# Altium PCB MainBoard_v1.PcbDoc (part 1 of 2)
Units mil, origin at the board's own origin, x right, y up, seen from the top; angles counter-clockwise.
Board outline 6125 x 6375 mil, 2 copper layers (Top Layer, Bottom Layer); 193 components, 120 nets, 701 pads, 462 vias.
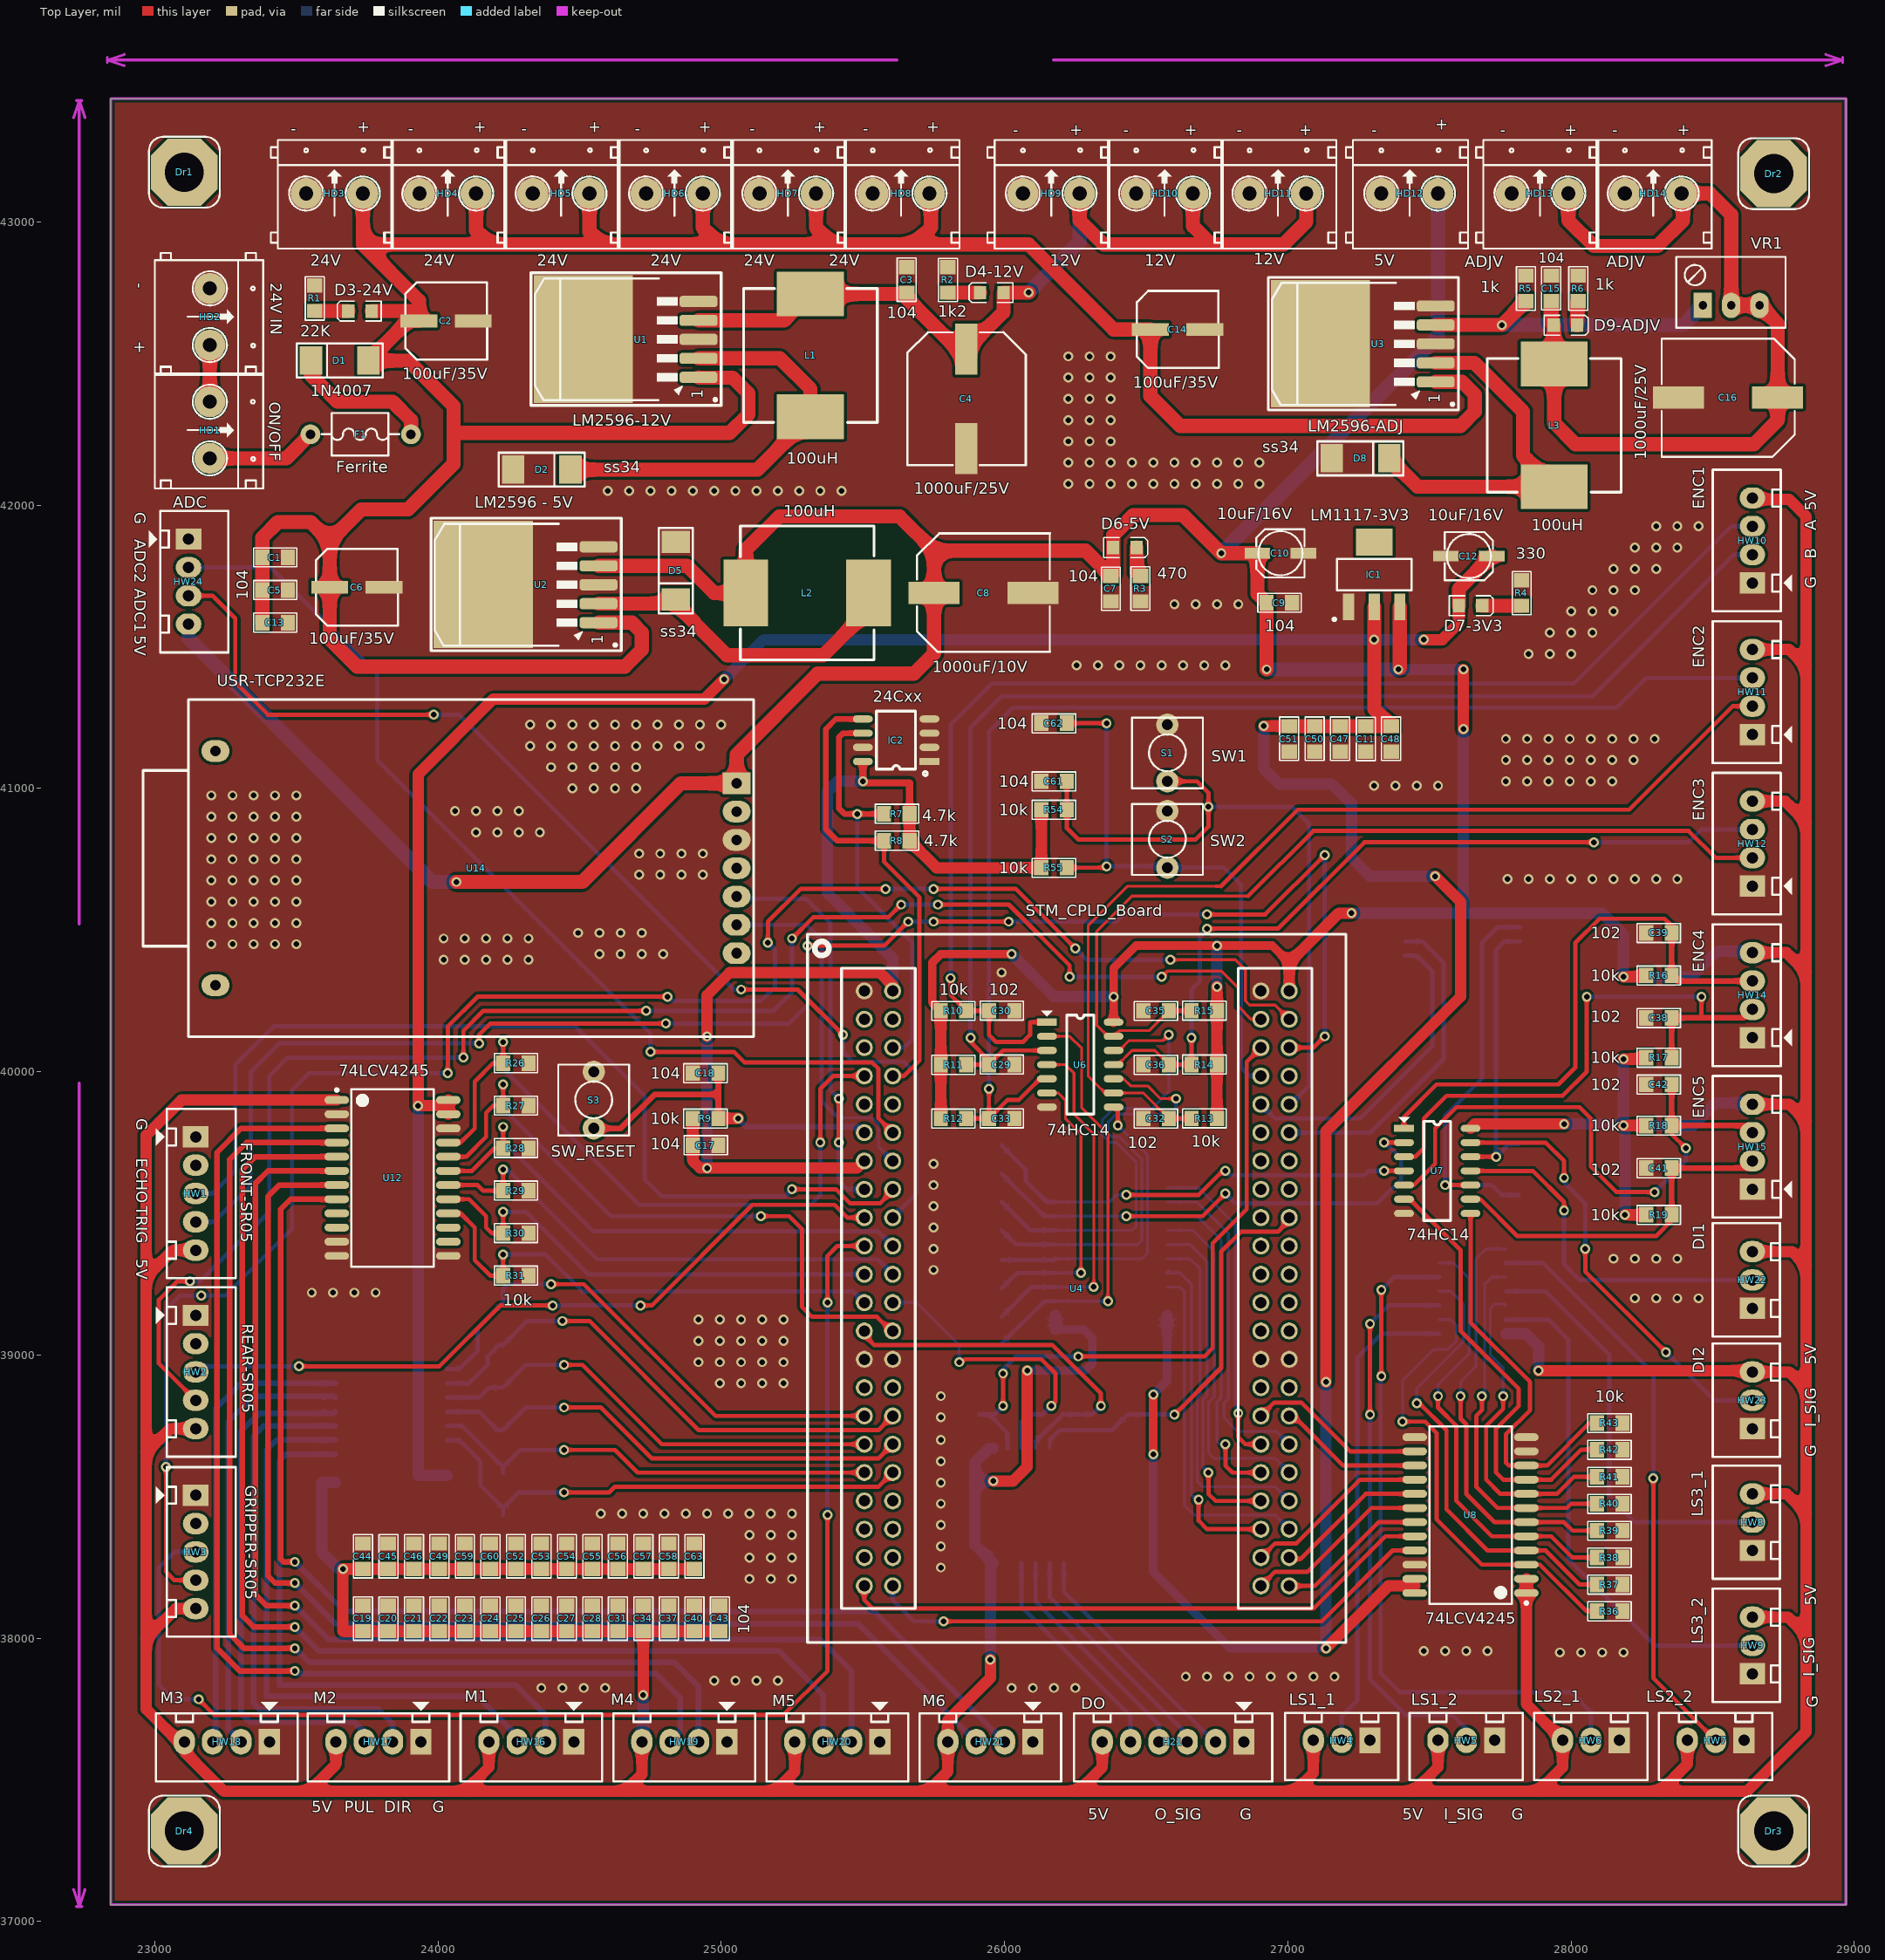
[diagram p0: Top Layer view]
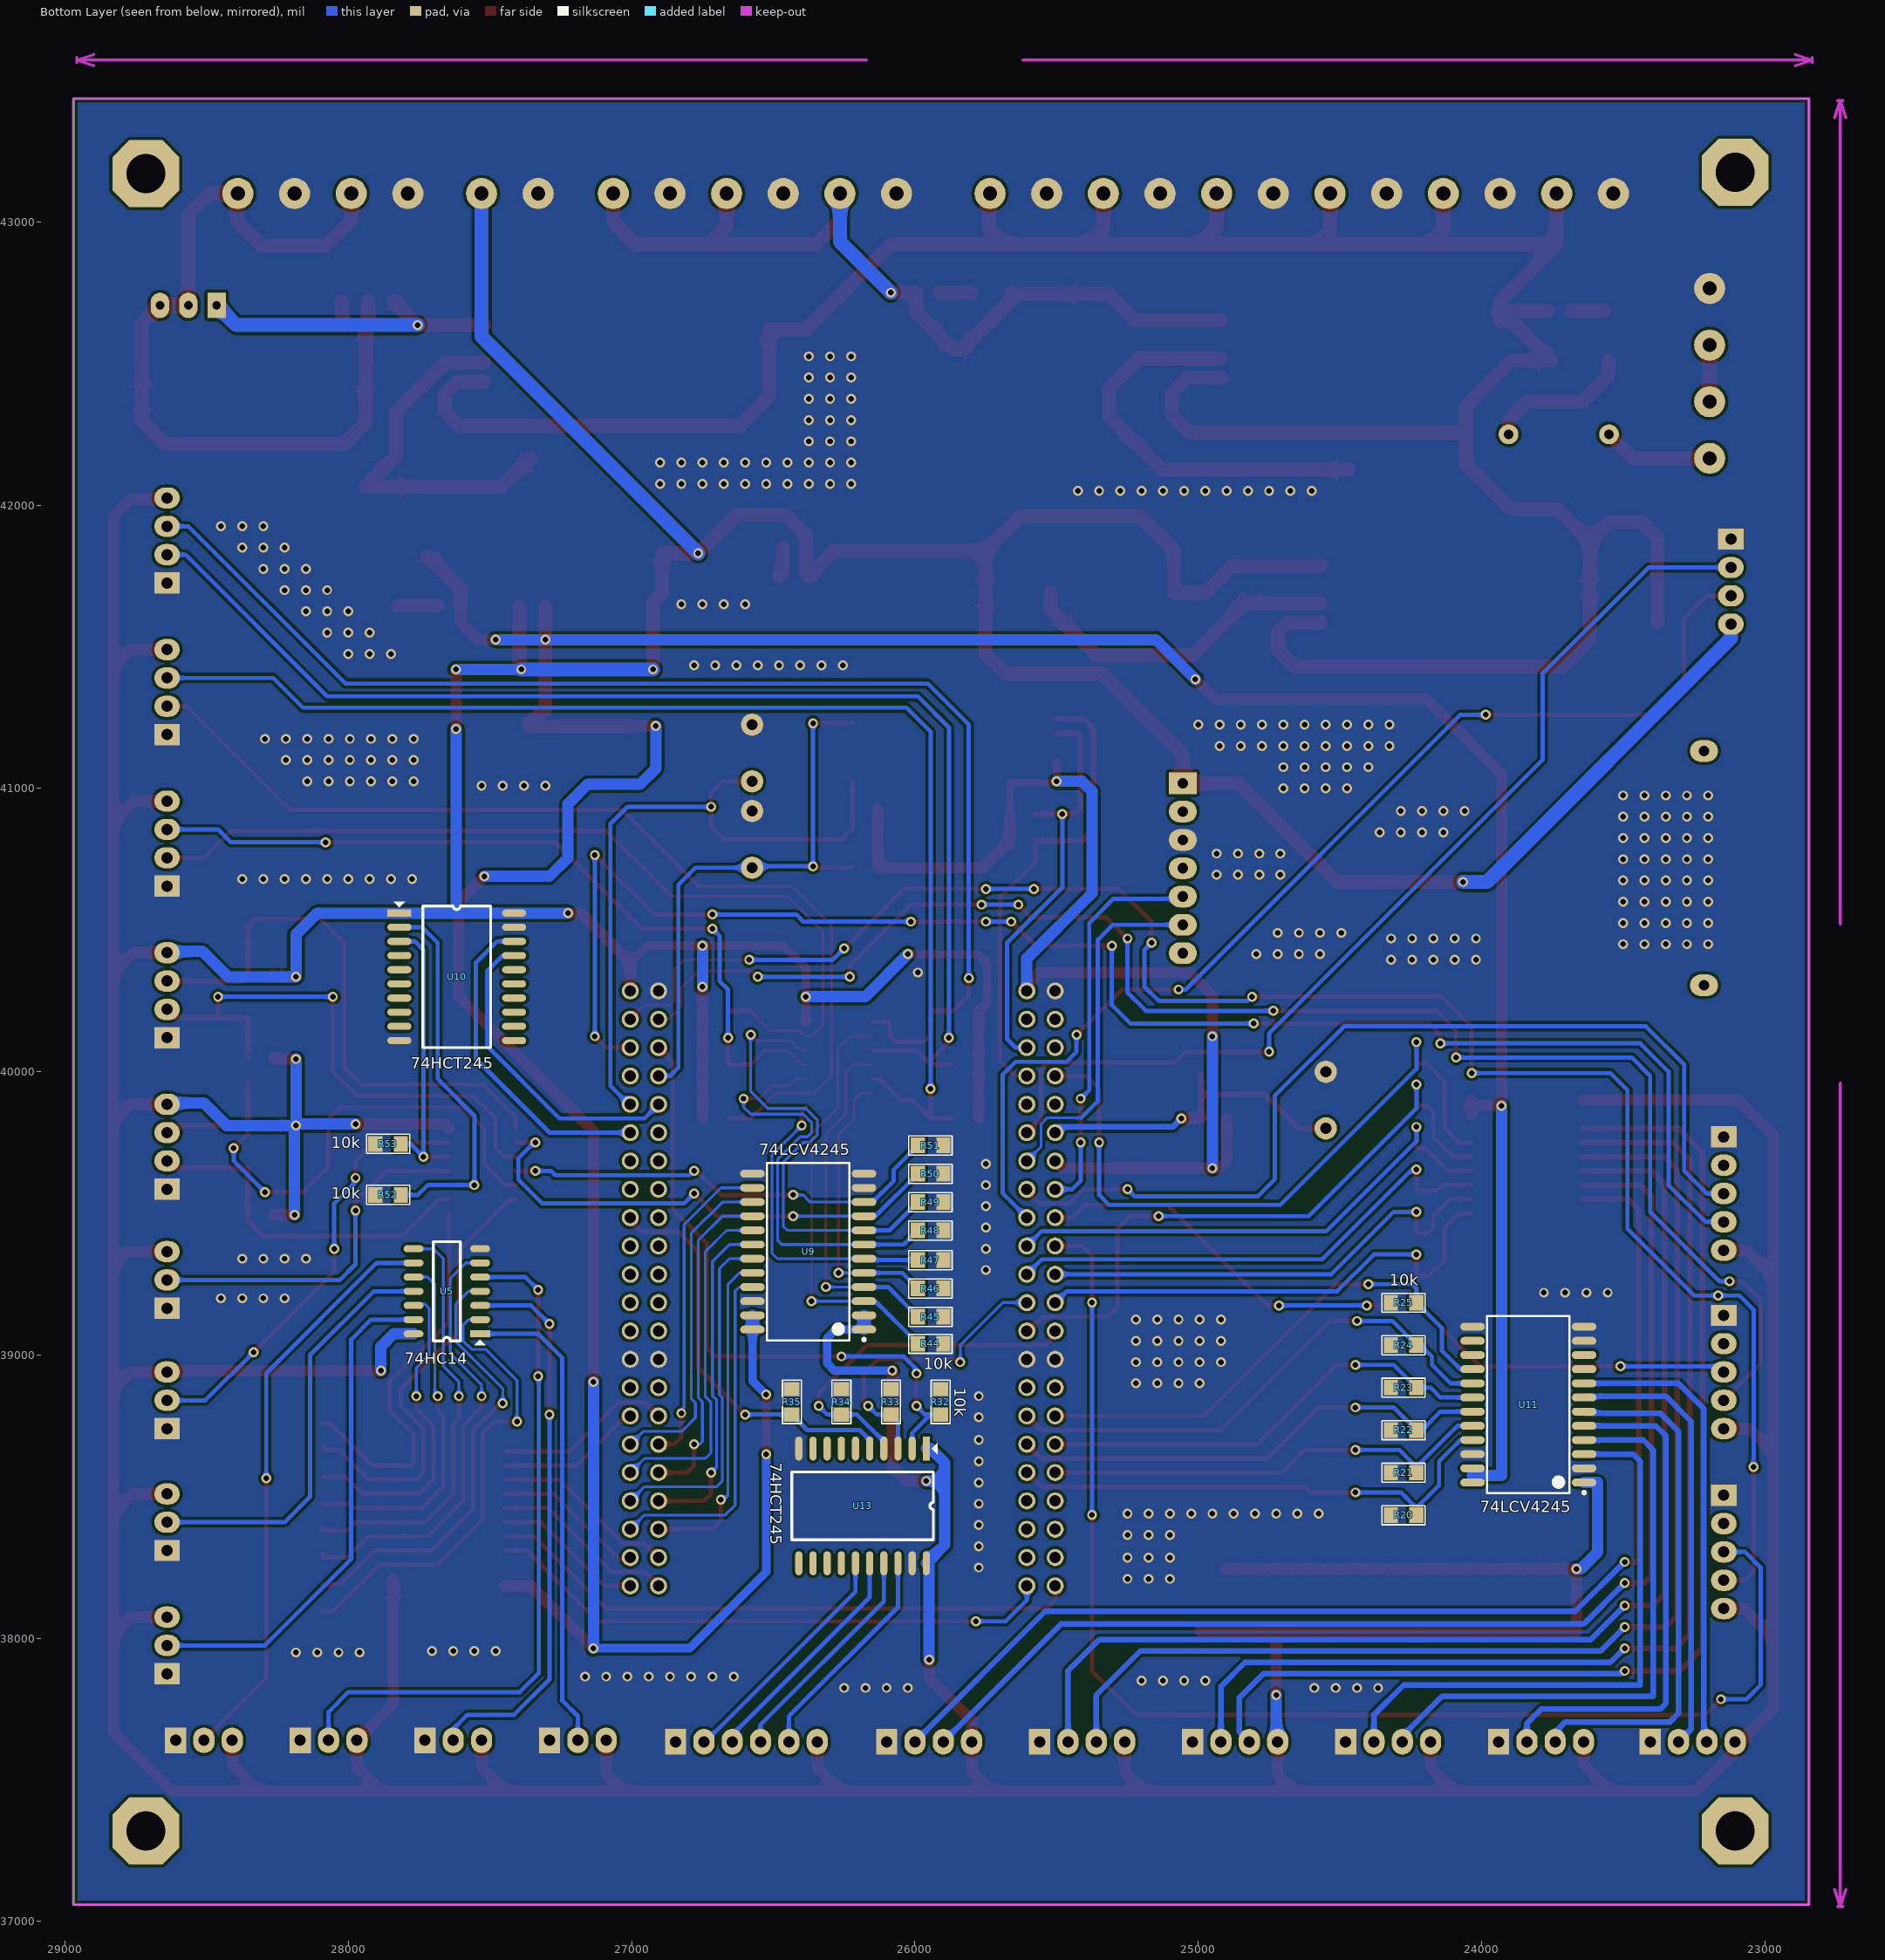
[diagram p1: Bottom Layer view, seen from below]
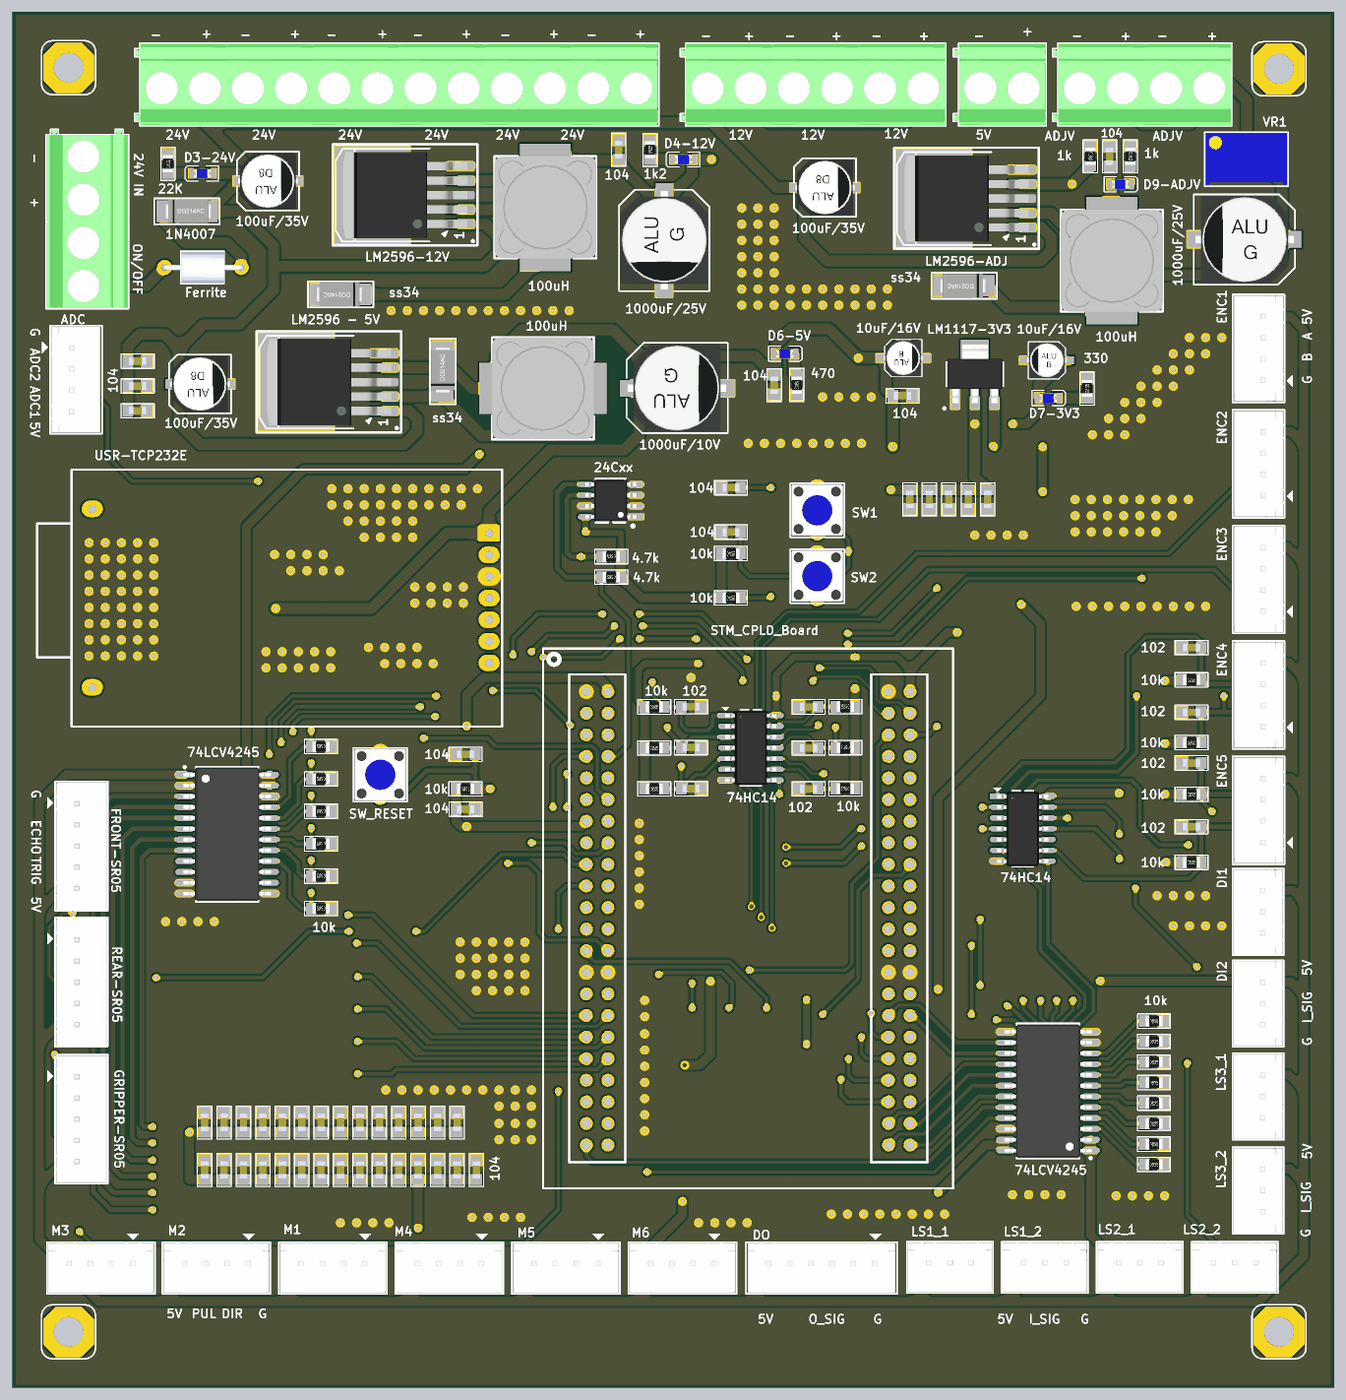
[diagram p3: 3D render of the assembled board from above, using the file's embedded part models]
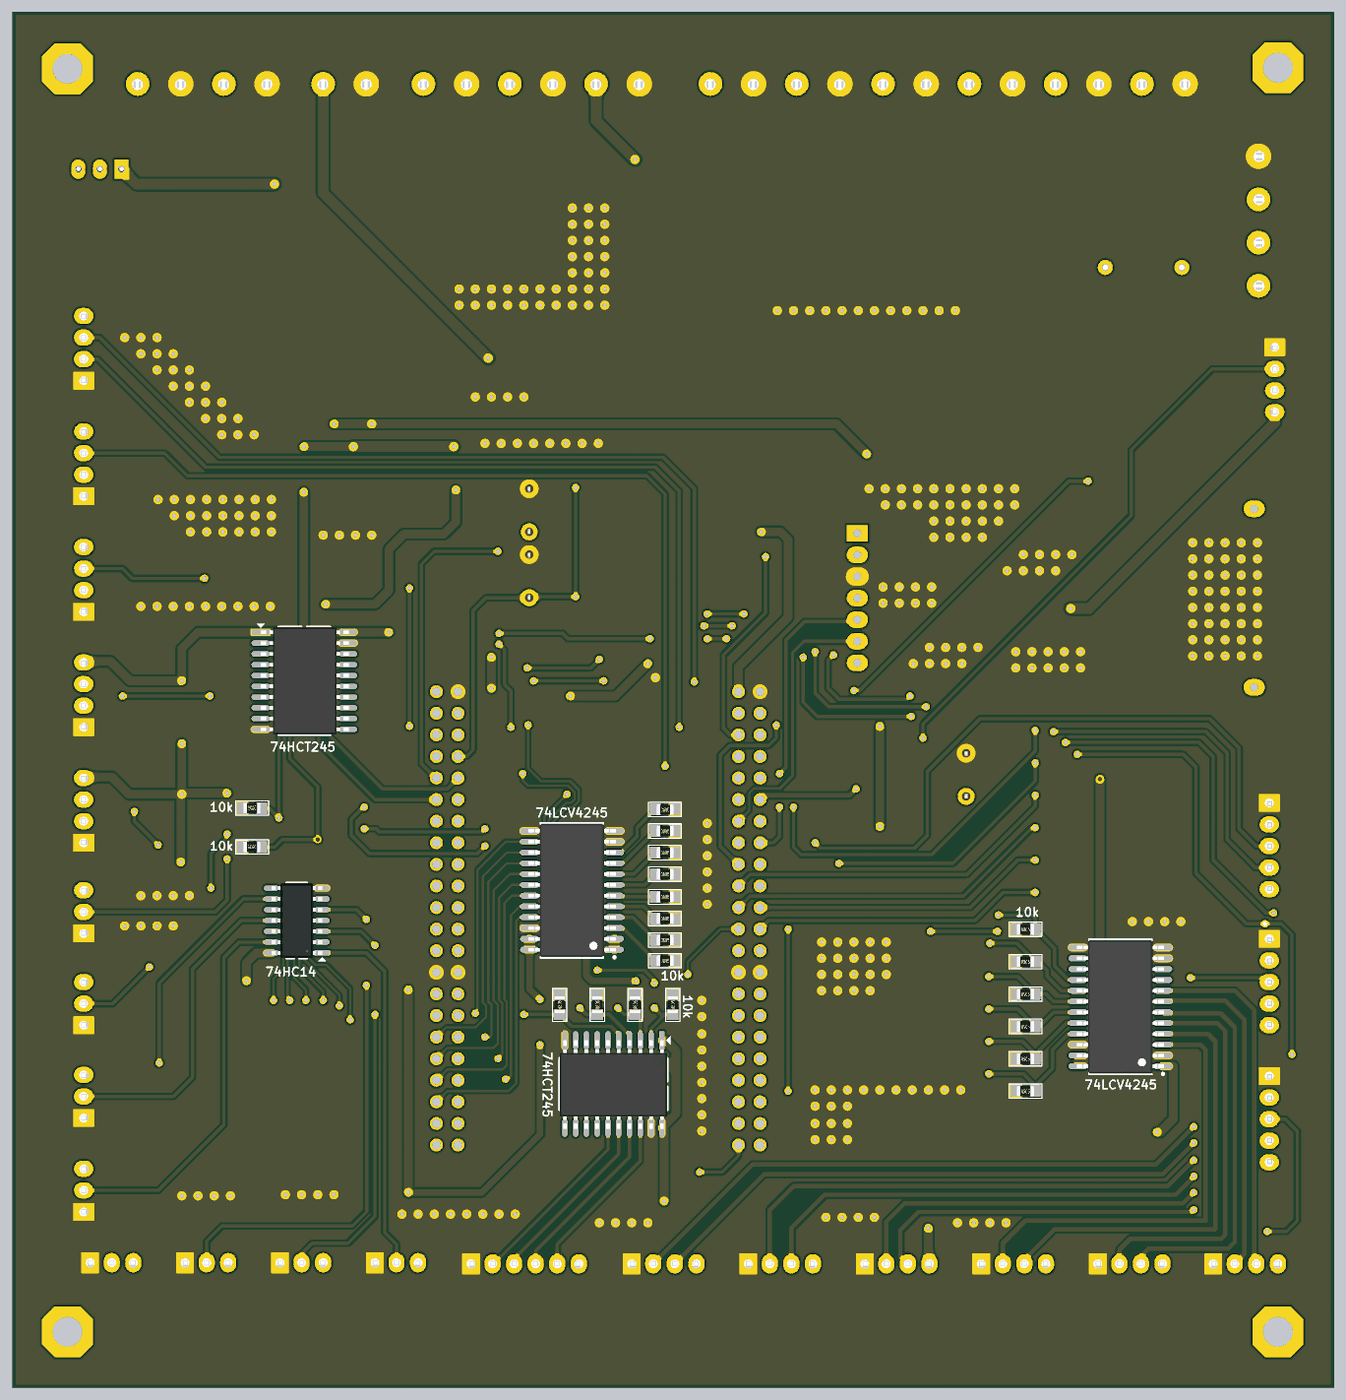
[diagram p4: 3D render of the assembled board from below, using the file's embedded part models]

## Layer stack, top to bottom
Top Solder: solder mask 0.4, Solder Resist, Dk 3.5
Top Layer: signal copper 1.4
Dielectric 1: dielectric 12.6, FR-4, Dk 4.8
Bottom Layer: signal copper 1.4
Bottom Solder: solder mask 0.4, Solder Resist, Dk 3.5

## Board outline
22845,37060 28970,37060 28970,43435 22845,43435

## Design rules (kind name [scope] priority, off if disabled: settings)
Clearance [All] p1: gap=10 ignorepadtopadclearanceinfootprint=FALSE except(0: Arc-Hole Track-Hole SMDPad-Hole THPad-Hole Via-Hole Fill-Hole Poly-Hole Region-Hole Text-Hole)
ComponentClearance [All] p1: gap=0 collisioncheckmode=3 verticalgap=0 showdistances=FALSE
PlaneConnect [All] p1: planeconnectstyle=Direct reliefexpansion=20 reliefentries=4 reliefconductorwidth=10 reliefairgap=10
PolygonConnect [All] p1: connectstyle=Direct reliefconductorwidth=10 reliefentries=4 polygonreliefangle="90 Angle" airgapwidth=10
RoutingVias [All] p1: holewidth=50 width=100 viastyle="Through Hole" minholewidth=16 minwidth=30 maxholewidth=20 maxwidth=35
SolderMaskExpansion [All] p1: expansion=4
Width [All] p1: maxlimit=50 minlimit=10 preferedwidth=50
28 further rules are at their usual default settings.

## Components (designator, comment, footprint, x,y, rotation, side; value= is the part's Value field where it differs from the comment)
C1 "104" CAP-SM-0805 23470,41815 r180 top
C2 "100uF/35V" Cap_Alu_D8 23899,42650 r0 top
C3 "104" CAP-SM-0805 25655,42840 r270 top
C4 "1000uF/25V" Cap_Alu_G 25865,42216 r90 top
C5 "104" CAP-SM-0805 23470,41700 r180 top
C6 "100uF/35V" Cap_Alu_D8 23584,41710 r0 top
C7 "104" CAP-SM-0805 26375,41660 r90 top
C8 "1000uF/10V" Cap_Alu_G 26085,41690 r180 top
C9 "104" CAP-SM-0805 27015,41655 r180 top
C10 "10uF/16V" CAP_ALU_B 26893,41830 r0 top
C11 "104" CAP-SM-0805 27275,41130 r90 top
C12 "10uF/16V" CAP_ALU_B 27720,41820 r180 top
C13 "104" CAP-SM-0805 23470,41585 r180 top
C14 "100uF/35V" Cap_Alu_D8 26481,42620 r0 top
C15 "104" CAP-SM-0805 27930,42810 r270 top
C16 "1000uF/25V" Cap_Alu_G 28395,42380 r0 top
C17 "104" CAP-SM-0805 24990,39740 r180 top
C18 "104" CAP-SM-0805 24900,39995 r0 top
C19 "104" CAP-SM-0805 23735,38025 r90 top
C20 "104" CAP-SM-0805 23825,38025 r90 top
C21 "104" CAP-SM-0805 23915,38025 r90 top
C22 "104" CAP-SM-0805 24005,38025 r90 top
C23 "104" CAP-SM-0805 24095,38025 r90 top
C24 "104" CAP-SM-0805 24185,38025 r90 top
C25 "104" CAP-SM-0805 24275,38025 r90 top
C26 "104" CAP-SM-0805 24365,38025 r90 top
C27 "104" CAP-SM-0805 24455,38025 r90 top
C28 "104" CAP-SM-0805 24545,38025 r90 top
C29 "102" CAP-SM-0805 26035,40025 r180 top
C30 "102" CAP-SM-0805 26035,40215 r180 top
C31 "104" CAP-SM-0805 24635,38025 r90 top
C32 "102" CAP-SM-0805 26490,39835 r0 top
C33 "102" CAP-SM-0805 26035,39835 r180 top
C34 "104" CAP-SM-0805 24725,38025 r90 top
C35 "102" CAP-SM-0805 26490,40215 r0 top
C36 "102" CAP-SM-0805 26490,40025 r0 top
C37 "104" CAP-SM-0805 24815,38025 r90 top
C38 "102" CAP-SM-0805 28265,40190 r0 top
C39 "102" CAP-SM-0805 28265,40490 r0 top
C40 "104" CAP-SM-0805 24905,38025 r90 top
C41 "102" CAP-SM-0805 28265,39660 r0 top
C42 "102" CAP-SM-0805 28265,39955 r0 top
C43 "104" CAP-SM-0805 24995,38025 r90 top
C44 "104" CAP-SM-0805 23735,38245 r90 top
C45 "104" CAP-SM-0805 23825,38245 r90 top
C46 "104" CAP-SM-0805 23915,38245 r90 top
C47 "104" CAP-SM-0805 27185,41220 r270 top
C48 "104" CAP-SM-0805 27365,41220 r270 top
C49 "104" CAP-SM-0805 24005,38245 r90 top
C50 "104" CAP-SM-0805 27095,41220 r270 top
C51 "104" CAP-SM-0805 27005,41220 r270 top
C52 "104" CAP-SM-0805 24275,38245 r90 top
C53 "104" CAP-SM-0805 24365,38245 r90 top
C54 "104" CAP-SM-0805 24455,38245 r90 top
C55 "104" CAP-SM-0805 24545,38245 r90 top
C56 "104" CAP-SM-0805 24635,38245 r90 top
C57 "104" CAP-SM-0805 24725,38245 r90 top
C58 "104" CAP-SM-0805 24815,38245 r90 top
C59 "104" CAP-SM-0805 24095,38245 r90 top
C60 "104" CAP-SM-0805 24185,38245 r90 top
C61 "104" CAP-SM-0805 26130,41025 r0 top
C62 "104" CAP-SM-0805 26130,41230 r0 top
C63 "104" CAP-SM-0805 24905,38245 r90 top
D1 "1N4007" DO-214AB 23655,42505 r0 top
D2 "ss34" DO-214AB 24365,42130 r180 top
D3-24V "LED" LED_0805_Blue 23725,42685 r180 top (schematic designator D3)
D4-12V "LED" LED_0805_Blue 25955,42750 r180 top (schematic designator D4)
D5 "ss34" DO-214AB 24845,41770 r90 top
D6-5V "LED" LED_0805_Blue 26425,41850 r0 top (schematic designator D6)
D7-3V3 "LED" LED_0805_Blue 27645,41645 r0 top (schematic designator D7)
D8 "ss34" DO-214AB 27255,42170 r180 top